# Altium PCB JammerCon_v1.1.PcbDoc (part 1 of 2) (continued)
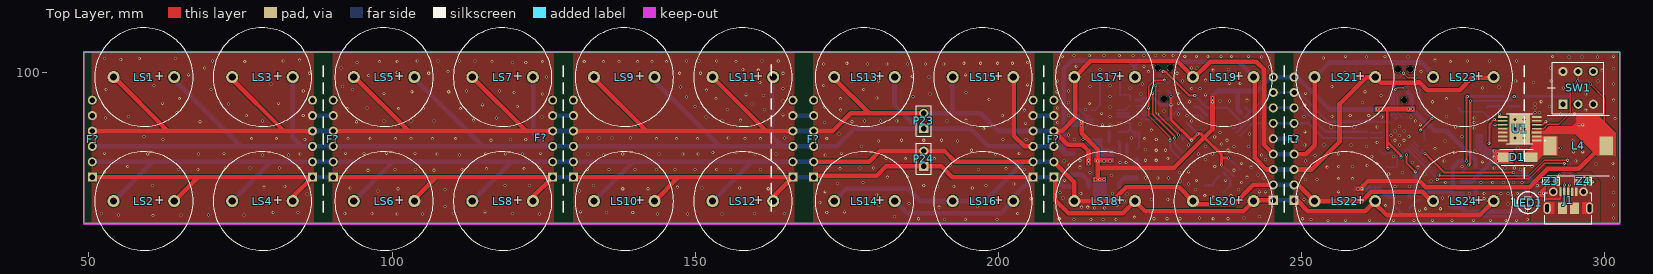
[diagram p0: Top Layer view]
## Part data (continued)
D4: library part "D Schottky", "Schottky Diodes & Rectifiers 1A 20V", Average Rectified Current=1A, Forward Voltage=340mV, Manufacturer="ON Semiconductor", Max Forward Surge Current (Ifsm)=45A, Max Operating Temperature=125°C, Max Repetitive Reverse Voltage (Vrrm)=20V, Max Reverse Current=600uA, Min Operating Temperature=-65°C, Package Quantity=10000, Supplier Part Number 1=MBR120VLSFT3GOSCT-ND, ComponentLink1Description=http://www.mouser.com/ds/2/308/MBR120VLSFT1-D-107081.pdf?src-supplier=Mouser, ComponentLink1URL=http://www.mouser.com/ds/2/308/MBR120VLSFT1-D-107081.pdf?src-supplier=Mouser, ComponentLink2Description=http://www.onsemi.com/pub/Collateral/MBR120VLSFT1-D.PDF?src-supplier=Digi-Key, ComponentLink2URL=http://www.onsemi.com/pub/Collateral/MBR120VLSFT1-D.PDF?src-supplier=Digi-Key, ComponentLink3Description=http://www.onsemi.cn/pub_link/Collateral/MBR120VLSFT1-D.PDF?src-supplier=Avnet, ComponentLink3URL=http://www.onsemi.cn/pub_link/Collateral/MBR120VLSFT1-D.PDF?src-supplier=Avnet, Current Rating=1A, Element Configuration=Single, Forward Current=1A, Halogen Free="Halogen Free", Lead Free="Lead Free", Manufacturer Part Number=MBR120VLSFT3G, Max Reverse Leakage Current=600uA, Max Reverse Voltage (DC)=20V, Max Surge Current=45A, Number of Pins=2, Output Current=1A, Packaging="Tape and Reel", Peak Non-Repetitive Surge Current=45A, Polarity=Standard, Pricing 1="1=0.41, 10=0.317, 100=0.1903, 500=0.1762, 1000=0.1198, 2000=0.1103, 5000=0.1057 (USD)", Radiation Hardening=No, REACH SVHC="No SVHC", RoHS Compliant=Yes, Series=-, Stock 1=9969, Supplier 1=Digi-Key, Voltage Rating (DC)=20V
D5 D6: library part "Diode 18TQ045", "Zener Diode 5.6V SOD-323F", Forward Voltage=1V, Manufacturer="ON Semiconductor / Fairchild", Manufacturer Part Number=MM3Z5V6B, Max Operating Temperature=150°C, Max Power Dissipation=200mW, Max Reverse Leakage Current=900nA, Min Operating Temperature=-65°C, Package Quantity=1, Supplier Part Number 1=MM3Z5V6BDKR-ND, Test Current=5mA, Tolerance=2%, Working Voltage=5.6V, ComponentLink1Description=http://www.fairchildsemi.com/ds/MM/MM3Z9V1B.pdf, ComponentLink1URL=http://www.fairchildsemi.com/ds/MM/MM3Z9V1B.pdf, ComponentLink2Description=http://www.onsemi.com/pub/Collateral/MM3Z9V1B-D.pdf, ComponentLink2URL=http://www.onsemi.com/pub/Collateral/MM3Z9V1B-D.pdf, ComponentLink3Description=http://www.mouser.com/ds/2/149/MM3Z5V6B-195782.pdf, ComponentLink3URL=http://www.mouser.com/ds/2/149/MM3Z5V6B-195782.pdf, Element Configuration=Single, Height=1mm, Impedance=37R, Lead Free="Lead Free", Length=1.3mm, Mount="Surface Mount", Number of Pins=2, Packaging="Tape and Reel", Peak Reverse Current=900nA, Power Dissipation=200mW, Pricing 1="1=0.22, 10=0.18, 100=0.0956, 500=0.0629, 1000=0.0428 (USD)", Radiation Hardening=No, REACH SVHC="No SVHC", Stock 1=198832, Supplier 1=Digi-Key, Voltage Tolerance=2%, Weight=0.0276g, Width=1.7mm, Zener Voltage=5.6V
J1: library part USB_Mini_B, "USB On-The-Go (OTG) Mini-B"
L1: library part BEAD, "FERRITE BEAD INDUCTOR", Case/Package=0603, Case Code (Metric)=1608, DC Resistance (DCR)=300mR, Frequency=100MHz, Manufacturer="Taiyo Yuden", Manufacturer Part Number=BK1608HW431-T, Max Current Rating=400mA, Max Operating Temperature=125°C, Min Operating Temperature=-55°C, Package Quantity=1, Supplier Part Number 1=587-1878-1-ND, Tolerance=25%, Case Code (Imperial)=0603, ComponentLink1Description=http://ds.yuden.co.jp/TYCOMPAS/ut/detail.do?productNo=BK1608HW431-T&fileName=BK1608HW431-T_SS&mode=specSheetDownload&src-supplier=Digi-Key, ComponentLink1URL=http://ds.yuden.co.jp/TYCOMPAS/ut/detail.do?productNo=BK1608HW431-T&fileName=BK1608HW431-T_SS&mode=specSheetDownload&src-supplier=Digi-Key, ComponentLink2Description=http://www.yuden.co.jp/productdata/catalog/en/mlci07_e.pdf?src-supplier=Farnell, ComponentLink2URL=http://www.yuden.co.jp/productdata/catalog/en/mlci07_e.pdf?src-supplier=Farnell, ComponentLink3Description=http://www.farnell.com/datasheets/2083103.pdf?src-supplier=Element14, ComponentLink3URL=http://www.farnell.com/datasheets/2083103.pdf?src-supplier=Element14, Core Material=Ferrite, Depth=0.95mm, Halogen Free="Halogen Free", Height=0.037inch, Impedance=430R, Lead Free="Lead Free", Length=0.063inch, Max DC Current=400mA, Mount="Surface Mount", Number of Lines=1, Number of Pins=2, Packaging="Tape and Reel", Pricing 1="1=0.1, 10=0.079, 25=0.072, 50=0.0648, 100=0.0476, 250=0.0346, 500=0.0317, 1000=0.0274 (USD)", REACH SVHC="No SVHC", Resistance=300mR, Shielding=Shielded, Stock 1=5299, Supplier 1=Digi-Key, Termination=SMD/SMT, Test Frequency=100MHz, Width=0.031inch
L3: library part BLM21PG331SN1D, "Ferrite Beads Multi-Layer 330Ohm 25% 100MHz 1.5A 70mOhm DCR 0805 Paper T/R", Package="0805 Murata", AVAILABILITY=Unavailable, MF=Murata, MP=BLM21PG331SN1D, PRICE=None, SnapEDA_Link=https://www.snapeda.com/parts/BLM21PG331SN1D/Murata%20Electronics%20North%20America/view-part/?ref=snap
L4: library part CDRH105RNP-220NC, "FIXED IND 22UH 2.9A 61 MOHM SMD", Case/Package=Nonstandard, Current Rating=2.9A, DC Resistance (DCR)=61mR, Manufacturer=Sumida, Max Operating Temperature=100°C, Min Operating Temperature=-40°C, Saturation Current=2.95A, Supplier Part Number 1=308-2173-1-ND, Test Frequency=100kHz, Tolerance=30%, ComponentLink1Description=http://products.sumida.com/products/pdf/CDRH105R.pdf?src-supplier=Digi-Key, ComponentLink1URL=http://products.sumida.com/products/pdf/CDRH105R.pdf?src-supplier=Digi-Key, ComponentLink2Description=http://www.sumida.com/products/pdf/CDRH105R.pdf?src-supplier=Avnet, ComponentLink2URL=http://www.sumida.com/products/pdf/CDRH105R.pdf?src-supplier=Avnet, ComponentLink3Description=http://www.mouser.com/ds/2/390/CDRH105R-465909.pdf?src-supplier=Mouser, ComponentLink3URL=http://www.mouser.com/ds/2/390/CDRH105R-465909.pdf?src-supplier=Mouser, Core Material=Ferrite, Depth=10.3mm, Height=5.1mm, Height - Seated (Max)=0.201inch, Lead Free="Lead Free", Length=0.402inch, Manufacturer Part Number=CDRH105RNP-220NC, Max DC Current=2.9A, Mount="Surface Mount", Packaging="Tape and Reel", Pricing 1="1=1.45, 10=1.344, 25=1.2404, 50=1.0336, 100=0.9715, 250=0.8682 (USD)", Radiation Hardening=No, Shielding=Shielded, Stock 1=2383, Supplier 1=Digi-Key, Termination=SMD/SMT, Weight=0.063493oz, Width=0.394inch
LED1: library part "LED0402 red", "Red LED 0402", Case/Package=0402, Case Code (Metric)=1005, Color=Red, Forward Voltage=1.95V, Lens Color=Colorless, Manufacturer=SunLED, Manufacturer Part Number=XZMDK68W-2, Supplier Part Number 1=1497-1174-1-ND, Test Current=20mA, Case Code (Imperial)=0402, ComponentLink1Description=http://www.sunledusa.com/products/spec/XZMDK68W-2.pdf?src-supplier=Digi-Key, ComponentLink1URL=http://www.sunledusa.com/products/spec/XZMDK68W-2.pdf?src-supplier=Digi-Key, ComponentLink2Description=https://www.sunledusa.com/products/spec/XZMDK68W-2.pdf?src-supplier=Digi-Key, ComponentLink2URL=https://www.sunledusa.com/products/spec/XZMDK68W-2.pdf?src-supplier=Digi-Key, Dominant Wavelength=630nm, Height=0.6mm, Length=1mm, Lens Transparency=Clear, Luminous Intensity=69mcd, Mount="Surface Mount", Packaging="Tape and Reel", Pricing 1="1=0.32, 10=0.249, 100=0.1117, 500=0.1009, 1000=0.0829 (USD)", RoHS Compliant=Yes, Stock 1=195016, Supplier 1=Digi-Key, Viewing Angle=120°, Width=0.5mm
LS1 LS2 LS3 LS4 LS5 LS6 LS7 LS8 LS9 LS10 LS11 LS12 LS13 LS14 LS15 LS16 LS17 LS18 LS19 LS20 LS21 LS22 LS23 LS24: "Loudspeaker"
  LS2 LS3 LS4 LS5 LS6 LS7 LS8 LS9 LS10 LS11 LS12 LS13 LS14 LS15 LS16 LS17 LS18 LS19 LS20 LS21 LS22 LS23 LS24: LatestRevisionDate=17-Jul-2002, LatestRevisionNote="Re-released for DXP Platform.", PackageReference=PIN2, Published=24-Mar-1999, Publisher="Altium Limited"
P22: library part CONN_MOLEX_0781710002, "1.20MM WTB HEADER VERT 2POS", Color=Black, Contact Resistance=20mR, Manufacturer=Molex, Manufacturer Part Number=0781710002, Max Operating Temperature=85°C, Max Voltage Rating (AC)=50V, Min Operating Temperature=-25°C, Supplier Part Number 1=WM4459CT-ND, ComponentLink1Description=https://www.molex.com/pdm_docs/as/AS-78172-006-001.pdf?src-supplier=Digi-Key, ComponentLink1URL=https://www.molex.com/pdm_docs/as/AS-78172-006-001.pdf?src-supplier=Digi-Key, ComponentLink2Description=http://components.arrow.com/part/dataview/47501414S8822330N3303?src-supplier=Arrow, ComponentLink2URL=http://components.arrow.com/part/dataview/47501414S8822330N3303?src-supplier=Arrow, ComponentLink3Description=https://www.molex.com/pdm_docs/sd/781710002_sd.pdf?src-supplier=Digi-Key, ComponentLink3URL=https://www.molex.com/pdm_docs/sd/781710002_sd.pdf?src-supplier=Digi-Key, ComponentLink4Description=http://www.molex.com/webdocs/datasheets/pdf/en-us/0781710002_PCB_HEADERS.pdf?src-supplier=Avnet, ComponentLink4URL=http://www.molex.com/webdocs/datasheets/pdf/en-us/0781710002_PCB_HEADERS.pdf?src-supplier=Avnet, Connector Type=Tab,Plug, Contact Material="Copper Alloy", Contact Plating=Gold, Depth=4.5mm, Fastening Type=Friction, Housing Color=Black, Housing Material=Polymer, Length=4.2mm, Max Voltage Rating (DC)=50V, Mount="Surface Mount", Number of Contacts=2, Number of Positions=2, Number of Rows=1, Orientation=Straight, Packaging="Tape and Reel", Pitch=1.2mm, Pricing 1="1=0.61, 10=0.567, 100=0.4349, 500=0.3782, 1000=0.312 (USD)", Radiation Hardening=No, Stock 1=35198, Supplier 1=Digi-Key, Termination=Solder
P23 P24: library part "Header 2", "Header, 2-Pin", LatestRevisionDate=17-Jul-2002, LatestRevisionNote="Re-released for DXP Platform.", Publisher="Altium Limited"
P25 P26: "Header, 3-Pin, Dual row"
Q1: library part ZXMP10A13FTA, "MOSFET P-CH 20V 4.2A SOT23", Case/Package=SOT-23, Continuous Drain Current (ID)=4.2A, Drain to Source Breakdown Voltage=-20V, Drain to Source Resistance=52mR, Drain to Source Voltage (Vdss)=20V, Gate to Source Voltage (Vgs)=8V, Input Capacitance=808pF, Manufacturer=Diodes, Max Operating Temperature=150°C, Max Power Dissipation=1.4W, Min Operating Temperature=-55°C, On-State Resistance=65MR, Package Quantity=1, Supplier Part Number 1=DMG2305UX-13DICT-ND, Threshold Voltage=-900mV, ComponentLink1Description=http://www.diodes.com/datasheets/DMG2305UX.pdf, ComponentLink1URL=http://www.diodes.com/datasheets/DMG2305UX.pdf, ComponentLink2Description=https://www.diodes.com/assets/Datasheets/DMG2305UX.pdf, ComponentLink2URL=https://www.diodes.com/assets/Datasheets/DMG2305UX.pdf, Element Configuration=Single, Fall Time=34.7ns, Height=1.1mm, Lead Free="Lead Free", Length=3mm, Manufacturer Part Number=DMG2305UX-13, Mount="Surface Mount", Number of Channels=1, Number of Pins=3, Packaging="Tape and Reel", Pricing 1="1=0.38, 10=0.348, 100=0.1948, 500=0.1044, 1000=0.071 (EUR)", Radiation Hardening=No, Rds On Max=52mR, REACH SVHC="No SVHC", Rise Time=13.7ns, Stock 1=562398, Supplier 1=Digi-Key, Turn-Off Delay Time=79.3ns, Turn-On Delay Time=10.8ns, Weight=0.000282oz, Width=1.4mm
Q4: library part DMG2305UX-13, "MOSFET P-CH 20V 4.2A SOT23", Case/Package=SOT-23, Continuous Drain Current (ID)=4.2A, Drain to Source Breakdown Voltage=-20V, Drain to Source Resistance=52mR, Drain to Source Voltage (Vdss)=20V, Gate to Source Voltage (Vgs)=8V, Input Capacitance=808pF, Manufacturer=Diodes, Max Operating Temperature=150°C, Max Power Dissipation=1.4W, Min Operating Temperature=-55°C, On-State Resistance=65MR, Package Quantity=1, Supplier Part Number 1=DMG2305UX-13DICT-ND, Threshold Voltage=-900mV, ComponentLink1Description=http://www.diodes.com/datasheets/DMG2305UX.pdf?src-supplier=Avnet, ComponentLink1URL=http://www.diodes.com/datasheets/DMG2305UX.pdf?src-supplier=Avnet, ComponentLink2Description=https://www.diodes.com/assets/Datasheets/DMG2305UX.pdf?src-supplier=Digi-Key, ComponentLink2URL=https://www.diodes.com/assets/Datasheets/DMG2305UX.pdf?src-supplier=Digi-Key, ComponentLink3Description=http://www.diodes.com/datasheets/DMG2305UX.pdf?src-supplier=Future+Electronics, ComponentLink3URL=http://www.diodes.com/datasheets/DMG2305UX.pdf?src-supplier=Future+Electronics, Element Configuration=Single, Fall Time=34.7ns, Height=1.1mm, Lead Free="Lead Free", Length=3mm, Manufacturer Part Number=DMG2305UX-13, Mount="Surface Mount", Number of Channels=1, Number of Pins=3, Packaging="Tape and Reel", Pricing 1="1=0.37, 10=0.253, 25=0.2528, 100=0.1236, 500=0.1031, 1000=0.0717, 2500=0.0621, 5000=0.059 (USD)", Radiation Hardening=No, Rds On Max=52mR, REACH SVHC="No SVHC", Rise Time=13.7ns, RoHS Compliant=Yes, Stock 1=1009768, Supplier 1=Digi-Key, Turn-Off Delay Time=79.3ns, Turn-On Delay Time=10.8ns, Weight=0.000282oz, Width=1.4mm
R1 R7: "Resistor", Case/Package=0402, Case Code (Metric)=1005, Manufacturer="TE Connectivity", Manufacturer Part Number=CRG0402J10K/10, Max Operating Temperature=125°C, Min Operating Temperature=-55°C, Number of Resistors=1, Package Quantity=10000, Power Rating=63mW, Resistance=10kR, Supplier Part Number 1=311-10KJRCT-ND, Temperature Coefficient=200ppm/°C, Tolerance=5%, Voltage Rating=50V, Case Code (Imperial)=0402, ComponentLink1Description=http://uk.rs-online.com/webdocs/13e2/0900766b813e23cb.pdf, ComponentLink1URL=http://uk.rs-online.com/webdocs/13e2/0900766b813e23cb.pdf, ComponentLink2Description=http://www.farnell.com/datasheets/1610603.pdf, ComponentLink2URL=http://www.farnell.com/datasheets/1610603.pdf, ComponentLink3Description=http://www.mouser.com/ds/2/418/NG_CD_1622826_BA1-677535.pdf, ComponentLink3URL=http://www.mouser.com/ds/2/418/NG_CD_1622826_BA1-677535.pdf, ComponentLink4Description=http://www.te.com/commerce/DocumentDelivery/DDEController?Action=showdoc&DocId=Data+Sheet%7F1773204%7FF%7Fpdf%7FEnglish%7FENG_DS_1773204_F.pdf, ComponentLink4URL=http://www.te.com/commerce/DocumentDelivery/DDEController?Action=showdoc&DocId=Data+Sheet%7F1773204%7FF%7Fpdf%7FEnglish%7FENG_DS_1773204_F.pdf, Composition="Thick Film", Depth=0.5mm, ELV=Compliant, Height=0.35mm, Length=1mm, Mount="Surface Mount", Number of Terminations=2, Packaging="Tape and Reel", Pricing 2="1=0.1, 10=0.016, 100=0.0064, 1000=0.0029, 2500=0.0025, 5000=0.0021 (USD)", Radiation Hardening=No, REACH SVHC=Unknown, Stock 2=164304, Supplier 1=Digi-Key, Supplier 2=Digi-Key, Supplier Part Number 2=A106045CT-ND, Termination=Solder, Voltage Rating (DC)=50V, Weight=2.3E-05oz, Width=0.5mm
R2: "Resistor", Case/Package=0402, Case Code (Metric)=1005, Manufacturer=Yageo, Manufacturer Part Number=RC0402FR-07100KL, Max Operating Temperature=155°C, Max Power Dissipation=63mW, Min Operating Temperature=-55°C, Package Quantity=1, Resistance=100kR, Supplier Part Number 1=311-100KLRCT-ND, Temperature Coefficient=100ppm/°C, Tolerance=1%, Voltage Rating=50V, Case Code (Imperial)=0402, ComponentLink1Description=http://www.yageo.com/documents/recent/PYu-RC_Group_51_RoHS_L_10.pdf?src-supplier=Digi-Key, ComponentLink1URL=http://www.yageo.com/documents/recent/PYu-RC_Group_51_RoHS_L_10.pdf?src-supplier=Digi-Key, ComponentLink2Description=http://www.farnell.com/datasheets/1018594.pdf?src-supplier=Element14, ComponentLink2URL=http://www.farnell.com/datasheets/1018594.pdf?src-supplier=Element14, ComponentLink3Description=http://www.yageo.com/documents/recent/PYu-RC_Group_51_RoHS_L_9.pdf?src-supplier=Verical, ComponentLink3URL=http://www.yageo.com/documents/recent/PYu-RC_Group_51_RoHS_L_9.pdf?src-supplier=Verical, ComponentLink4Description=http://www.yageo.com/documents/recent/PYu-RC_Group_51_RoHS_L_9.pdf?src-supplier=Mouser, ComponentLink4URL=http://www.yageo.com/documents/recent/PYu-RC_Group_51_RoHS_L_9.pdf?src-supplier=Mouser, ComponentLink5Description=http://documents.rs-components.com/techlib://itc_doclist_GB.htm?stockno=6185797&src-supplier=RSComponents, ComponentLink5URL=http://documents.rs-components.com/techlib://itc_doclist_GB.htm?stockno=6185797&src-supplier=RSComponents, Composition="Thick Film", Depth=0.5mm, Features="Moisture Resistant", Height=0.016inch, Lead Free="Lead Free", Length=0.039inch, Military Standard=Not, Number of Terminations=2, Packaging="Tape and Reel", Power Rating=63mW, Pricing 1="1=0.1, 10=0.016, 100=0.0067, 1000=0.003, 2500=0.0026, 5000=0.0022 (USD)", REACH SVHC="No SVHC", Stock 1=62177550, Supplier 1=Digi-Key, Termination=SMD/SMT, Width=0.02inch, Working Voltage=50V
R3: library part Res1_2, "Resistor"
R4: library part Res1_2, "Resistor", Case/Package=0603, Case Code (Metric)=1608, Manufacturer="Stackpole Electronics", Manufacturer Part Number=RMCF0603FT143K, Max Operating Temperature=155°C, Max Power Dissipation=100mW, Min Operating Temperature=-55°C, Supplier Part Number 1=RMCF0603FT143KCT-ND, Temperature Coefficient=100ppm/°C, Tolerance=1%, Case Code (Imperial)=0603, ComponentLink1Description=https://www.seielect.com/catalog/SEI-Packaging.pdf?src-supplier=Digi-Key, ComponentLink1URL=https://www.seielect.com/catalog/SEI-Packaging.pdf?src-supplier=Digi-Key, ComponentLink2Description=https://www.seielect.com/catalog/SEI-RMCF_RMCP.pdf?src-supplier=Avnet, ComponentLink2URL=https://www.seielect.com/catalog/SEI-RMCF_RMCP.pdf?src-supplier=Avnet, ComponentLink3Description=https://www.seielect.com/Catalog/SEI-RMCF_RMCP.pdf?src-supplier=Digi-Key, ComponentLink3URL=https://www.seielect.com/Catalog/SEI-RMCF_RMCP.pdf?src-supplier=Digi-Key, Composition="Thick Film", Contact Plating=Tin,Matte, Features="Automotive AEC-Q200", Height=0.022inch, Lead Free="Lead Free", Length=0.061inch, Mount="Surface Mount", Number of Terminations=2, Packaging="Tape and Reel", Pricing 1="1=0.1, 10=0.015, 100=0.0063, 1000=0.0028, 2500=0.0024 (USD)", Radiation Hardening=No, Stock 1=44411, Supplier 1=Digi-Key, Width=0.031inch
R5: library part Res1_2, "Resistor", Case/Package=0603, Case Code (Metric)=1608, Manufacturer="TE Connectivity Neohm", Manufacturer Part Number=CPF0603F10KC1, Max Operating Temperature=155°C, Min Operating Temperature=-55°C, Number of Resistors=1, Power Rating=63mW, Supplier Part Number 1=A102203CT-ND, Temperature Coefficient=50ppm/°C, Tolerance=1%, Voltage Rating=50V, Case Code (Imperial)=0603, ComponentLink1Description=http://www.farnell.com/datasheets/1786775.pdf?src-supplier=Onlinecomponents.com, ComponentLink1URL=http://www.farnell.com/datasheets/1786775.pdf?src-supplier=Onlinecomponents.com, ComponentLink2Description=http://www.farnell.com/datasheets/1786775.pdf?src-supplier=Element14, ComponentLink2URL=http://www.farnell.com/datasheets/1786775.pdf?src-supplier=Element14, Composition="Thin Film", ELV=Compliant, Mount="Surface Mount", Number of Pins=2, Number of Terminations=2, Packaging="Tape and Reel", Pricing 1="1=0.18, 10=0.153, 100=0.0597 (USD)", Radiation Hardening=No, REACH SVHC=Unknown, Stock 1=38553, Supplier 1=Digi-Key, Termination=Solder, Voltage Rating (DC)=50V, Width=0.8mm
R6: library part Res1_2, "Resistor", Case/Package=0603, Case Code (Metric)=1608, Manufacturer=Yageo, Manufacturer Part Number=RC0603FR-073K09L, Max Operating Temperature=155°C, Min Operating Temperature=-55°C, Power Rating=100mW, Supplier Part Number 1=311-3.09KHRCT-ND, Temperature Coefficient=100ppm/°C, Tolerance=1%, Voltage Rating=50V, Case Code (Imperial)=0603, ComponentLink1Description=https://www.verical.com/server-webapp/html/getDatasheet?partID=327924&src-supplier=Verical, ComponentLink1URL=https://www.verical.com/server-webapp/html/getDatasheet?partID=327924&src-supplier=Verical, ComponentLink2Description=http://documents.rs-components.com/techlib://itc_doclist_GB.htm?stockno=6167446&src-supplier=RSComponents, ComponentLink2URL=http://documents.rs-components.com/techlib://itc_doclist_GB.htm?stockno=6167446&src-supplier=RSComponents, Composition="Thick Film", Depth=0.8mm, Height=0.45mm, Lead Free="Lead Free", Length=1.6mm, Military Standard=Not, Mount="Surface Mount", Packaging="Tape and Reel", Pricing 1="1=0.1, 10=0.022, 100=0.009, 1000=0.0041, 2500=0.0035 (USD)", Stock 1=238098, Supplier 1=Digi-Key, Termination=SMD/SMT, Voltage Rating (DC)=50V
R21 R22 R23 R26 R27 R28 R29 R30 R34 R35 R37 R38: "Semiconductor Resistor"
R24 R25 R33 R36: library part Res0201, "Semiconductor Resistor"
SB1 SB2 SB3 SB4: "Shorted Solderbridge"
SW1: "Pushbutton Switch DPDT Standard Through Hole", Package=None, AVAILABILITY=Good, Check_prices=https://www.snapeda.com/parts/TL2201EEZB/E-Switch/view-part/5162943/?ref=eda, MF=E-Switch, MP=TL2201EEZB, PRICE=None, Purchase-URL=https://pricing.snapeda.com/search/part/TL2201EEZB/?ref=eda, SnapEDA_Link=https://www.snapeda.com/parts/TL2201EEZB/E-Switch/view-part/5162943/?ref=snap
TP1 TP2 TP3 TP4 TP5 TP6 TP9: "SMD test pin"
U1: "IC REG MULTI CONFG ADJ 14HTSSOP", Case/Package="HTSSOP EP", Manufacturer="Texas Instruments", Max Input Voltage=18V, Max Operating Temperature=85°C, Max Output Current=3A, Max Output Voltage=38V, Min Input Voltage=2.9V, Min Operating Temperature=-40°C, Package Quantity=1, Quiescent Current=3mA, Supplier Part Number 1=296-24013-1-ND, Switching Frequency=2.2MHz, ComponentLink1Description=http://www.ti.com/lit/ds/symlink/tps61175.pdf?src-supplier=Digi-Key, ComponentLink1URL=http://www.ti.com/lit/ds/symlink/tps61175.pdf?src-supplier=Digi-Key, ComponentLink2Description=http://www.ti.com/general/docs/lit/getliterature.tsp?genericPartNumber=TPS61175&&fileType=pdf&src-supplier=Avnet, ComponentLink2URL=http://www.ti.com/general/docs/lit/getliterature.tsp?genericPartNumber=TPS61175&&fileType=pdf&src-supplier=Avnet, ComponentLink3Description=http://www.ti.com/lit/ds/symlink/tps61175.pdf?src-supplier=Avnet+Europe, ComponentLink3URL=http://www.ti.com/lit/ds/symlink/tps61175.pdf?src-supplier=Avnet+Europe, ComponentLink4Description=http://datasheet.iiic.cc/texas_instruments/TPS61175PWPR.pdf?src-supplier=IIIC, ComponentLink4URL=http://datasheet.iiic.cc/texas_instruments/TPS61175PWPR.pdf?src-supplier=IIIC, ComponentLink5Description=http://www.produktinfo.conrad.com/datenblaetter/1000000-1099999/001014891-da-01-en-IC_REG_MULTI_C_TPS61175PWPR_TSSOP_14_TID.pdf?src-supplier=Conrad, ComponentLink5URL=http://www.produktinfo.conrad.com/datenblaetter/1000000-1099999/001014891-da-01-en-IC_REG_MULTI_C_TPS61175PWPR_TSSOP_14_TID.pdf?src-supplier=Conrad, Contact Plating=Gold, Efficiency=93%, Lead Free="Lead Free", Manufacturer Part Number=TPS61175PWPR, Min Output Voltage=2.9V, Mount="Surface Mount", Number of Outputs=1, Number of Pins=14, Operating Supply Voltage=18V, Output Configuration=Positive, Output Current=3A, Output Type=Adjustable, Output Voltage=38V, Packaging="Tape and Reel", Pricing 1="1=3.03, 10=2.723, 25=2.574, 100=2.1164, 250=1.899, 500=1.8304, 1000=1.5215 (USD)", Radiation Hardening=No, REACH SVHC="No SVHC", Stock 1=11099, Supplier 1=Digi-Key, Synchronous Rectifier=Yes, Topology=Boost,Flyback,SEPIC, Weight=0.002046oz
U5: "IC, SWITCH, SPDT ANA, SMD", Case/Package=TQFP, Frequency=20MHz, Manufacturer="Microchip / Atmel", Manufacturer Part Number=ATMEGA328PB-AUR, Max Operating Temperature=85°C, Max Supply Voltage=5.5V, Min Operating Temperature=-40°C, Min Supply Voltage=1.8V, Operating Supply Voltage=5V, Supplier Part Number 1=ATMEGA328PB-AURCT-ND, Contact Plating=Matte,Tin, Core Architecture=AVR, Interface=I2C,SPI,UART,USART, Max Frequency=20MHz, Memory Size=32KB, Memory Type=FLASH, Mount="Surface Mount", Number of I/Os=27, Number of Pins=32, Number of Programmable I/O=27, Number of Timers/Counters=5, Oscillator Type=Internal, Packaging="Tape and Reel", Peripherals="Brown-out Detect/Reset,POR,PWM,WDT", Pricing 1="1=1.46, 25=1.3392, 100=1.2154 (USD)", RAM Size=2KB, Stock 1=11340, Supplier 1=Digi-Key, Watchdog Timer=Yes
U7: library part MCP73831T-2ACI/OT_1, "IC CONTROLLR LI-ION 4.2V SOT23-5", Battery Pack Voltage=4.2V, Charge Current - Max=500mA, Current - Charging="Constant - Programmable", Manufacturer="Microchip Technology", Operating Temperature="-40°C ~ 85°C (TA)", Package / Case="SC-74A, SOT-753", Supplier Device Package=SOT-23-5, Supplier Part Number 1=MCP73831T-2ACI/OTCT-ND, Voltage - Supply (Max)=6V, Battery Chemistry=Lithium-Ion/Polymer, Category="Integrated Circuits (ICs)", ComponentLink1Description=http://www.microchip.com/mymicrochip/filehandler.aspx?ddocname=en025112, ComponentLink1URL=http://www.microchip.com/mymicrochip/filehandler.aspx?ddocname=en025112, Fault Protection="Over Voltage", Interface=-, Manufacturer Part Number=MCP73831T-2ACI/OT, Number of Cells=1, Packaging="Cut Tape (CT)", Part Status=Active, Pricing 1="1=0.58, 25=0.484, 100=0.4326 (USD)", Programmable Features=Current, RoHS="RoHS Compliant", Stock 1=18101, Supplier 1=Digi-Key
U8: "Integrated Circuit", Manufacturer_Name="Analog Devices", Mouser Part Number=584-AD9833BRMZ-R7, Arrow Part Number=AD9833BRMZ-REEL7, Arrow Price/Stock=https://www.arrow.com/en/products/ad9833brmz-reel7/analog-devices, Datasheet Link=https://www.analog.com/media/en/technical-documentation/data-sheets/ad9833.pdf, Height=1.1mm, Manufacturer_Part_Number=AD9833BRMZ-REEL7, Mouser Price/Stock=https://www.mouser.co.uk/ProductDetail/Analog-Devices/AD9833BRMZ-REEL7?qs=BpaRKvA4VqGlyZCX2gCZvQ%3D%3D
U9: "Fuse", Manufacturer_Name=LITTELFUSE, Mouser Part Number=N/A, Datasheet Link=https://pdf1.alldatasheet.com/datasheet-pdf/view/1132029/DIODES/PAM8403.html, Height=1.75mm, Manufacturer_Part_Number=PAM8403DR, Mouser Price/Stock=https://www.mouser.com/Search/Refine.aspx?Keyword=N%2FA
U11: "Integrated Circuit", Manufacturer_Name=Microchip, Mouser Part Number=556-ATMEGA16U2-MU, Arrow Part Number=ATMEGA16U2-MU, Arrow Price/Stock=https://www.arrow.com/en/products/atmega16u2-mu/microchip-technology, Datasheet Link=http://ww1.microchip.com/downloads/en/DeviceDoc/doc7799.pdf, Height=1mm, Manufacturer_Part_Number=ATMEGA16U2-MU, Mouser Price/Stock=https://www.mouser.co.uk/ProductDetail/Microchip-Technology-Atmel/ATMEGA16U2-MU/?qs=JV7lzlMm3yIZlyznMyuPNA%3D%3D
Y1: library part ECS-3951M-250-BN-TR, "XTAL OSC XO 25.0000MHZ CMOS SMD", Case/Package=SMD/SMT, Frequency Stability=50ppm, Load Capacitance=30pF, Manufacturer="ECS International", Max Operating Temperature=85°C, Max Supply Current=20mA, Max Supply Voltage=5.5V, Min Operating Temperature=-40°C, Min Supply Voltage=4.5V, Operating Supply Voltage=5V, Package Quantity=1, Supplier Part Number 1=XC321CT-ND, ComponentLink1Description=http://www.ecsxtal.com/store/pdf/ecs-3951m-bn-3953m-bn.pdf?src-supplier=Digi-Key, ComponentLink1URL=http://www.ecsxtal.com/store/pdf/ecs-3951m-bn-3953m-bn.pdf?src-supplier=Digi-Key, Frequency=25MHz, Height=0.067inch, Lead Free="Lead Free", Length=0.276inch, Manufacturer Part Number=ECS-3951M-250-BN-TR, Mount="Surface Mount", Packaging="Tape and Reel", Pricing 1="1=4.08, 10=3.885, 50=3.6908, 100=3.3022, 500=3.108 (USD)", RoHS Compliant=Yes, Series=ECS-3951M-BN, Stock 1=1359, Supplier 1=Digi-Key, Termination=SMD/SMT, Width=0.197inch
Y3: library part 416F32022CKR, "Crystal 32MHz", Supplier 1=Digi-Key
Y4: library part 416F32022CKR, "Crystal 32MHz", Supplier Part Number 1=CTX1410CT-ND, Supplier 1=Digi-Key
Z3 Z4: library part SMD-RES-VARISTOR-5V-28V(0603), "Varistor, ESD Clamp Protector, 5 VDC, 20 Vclamp, IEC 61000-4-2 Level 4, 0603 SMD", Package="0603 Bourns", AVAILABILITY=Unavailable, MF=Bourns, MP=CG0603MLC-05E, PRICE=None, SnapEDA_Link=https://www.snapeda.com/parts/CG0603MLC-05E/Bourns%20-%20J.W.%20Miller/view-part/?ref=snap

## Via types
v1: diameter 0.5, hole 0.3, Top Layer to Bottom Layer, tented both sides, 729 vias
v2: diameter 0.6, hole 0.504, Top Layer to Bottom Layer, tented both sides, 6 vias

## Nets (pads, with @x,y where several pads share a name; then routed paths per layer and width w, separated by ;. In a path a pad name is that pad's centre, name@x,y a point inside that pad or via, vN(x,y) a via of type N, cw(c..) or ccw(c..) an arc to the next point about the centre after c; other vN are vias at no path point)
BAT5V: C2.2 D1.1 Q4.2 R3.1 TP3.1 | length 6.7
  Bottom Layer w0.762: Q4.2@276.472,81.915 278.13,81.915 281.686,85.471
  other v1: 282.321,85.344 281.813,85.979 282.321,86.487 281.813,86.995
BOOST_EN: R1.2 SW1.5 U1.4 | length 14.6
  Top Layer w0.254: U1.4@288.804,90.678 289.941,90.678 290.703,91.44 292.481,91.44 294.386,93.345 294.386,97.409 v1(295.529,98.552) 295.656,98.679 SW1.5@295.656,100.109
  Bottom Layer w0.381: v1(295.529,98.552) R1.2@296.172,98.552
CLK: R22.1 SB2.2 | length 1.4
  Bottom Layer w0.305: R22.1@222.75,93.472 223.639,93.472 SB2.2@223.969,93.142
DAT: R23.1 SB4.2 | length 1.3
  Bottom Layer w0.305: R23.1@222.75,94.445 223.748,94.445 SB4.2@223.969,94.666
DN: R26.1 U11.30 Z3.2 | length 33.2
  Top Layer w0.254: v1(272.415,82.296) 272.415,82.372 272.44,82.398 287.569,82.398 290.135,84.963 v1(293.37,84.963) ; Z3.2@291.973,82.042 291.973,82.423 v1(292.608,83.058)
  Bottom Layer w0.254: U11.30@267.39,87.453 v1@272.415,82.428 ; v1(292.608,83.058) 292.624,83.042 R26.1@293.37,83.042 v1(293.37,84.963)
DP: R27.1 U11.29 Z4.2 | length 34
  Top Layer w0.254: v1(272.669,83.058) 272.817,82.91 287.295,82.91 287.401,82.804 290.089,85.492 293.857,85.492 v1(293.878,85.471) ; v1(295.148,83.058) 295.783,82.423 Z4.2@295.783,82.042
  Bottom Layer w0.254: U11.29@267.743,87.806 267.78,87.806 272.529,83.058 v1(272.669,83.058) ; v1(293.878,85.471) 294.386,84.963 R27.1@294.386,83.05 295.14,83.05 v1(295.148,83.058)
DTR_16u2: B1.8 B2.8 C36.2 R36.2 U11.13 | length 29.5
  Bottom Layer w0.254: B2.8@244.856,96.647 B2.8@245.364,96.647 ; B1.8@248.793,96.647 249.555,96.647 ; 264.436,91.821 U11.13@264.844,91.413
  Bottom Layer w0.381: C36.2@240.765,92.556 241.046,92.837 ; R36.2@240.819,94.134 241.3,93.654 241.3,93.091 241.046,92.837 ; B2.8@244.856,96.647 241.046,92.837 ; B2.8@245.364,96.647 B1.8@248.793,96.647 ; 249.555,96.647 254.381,91.821 264.436,91.821
FSY: R21.1 U5.23 | length 12.7
  Bottom Layer w0.305: R21.1@222.75,92.583 223.266,92.583 223.647,92.202 227.965,92.202 229.743,93.98 230.886,93.98 232.029,92.837 233.333,92.837 U5.23@233.837,92.334